# KiCad board panel.opm-inline.kicad_pcb (continued)
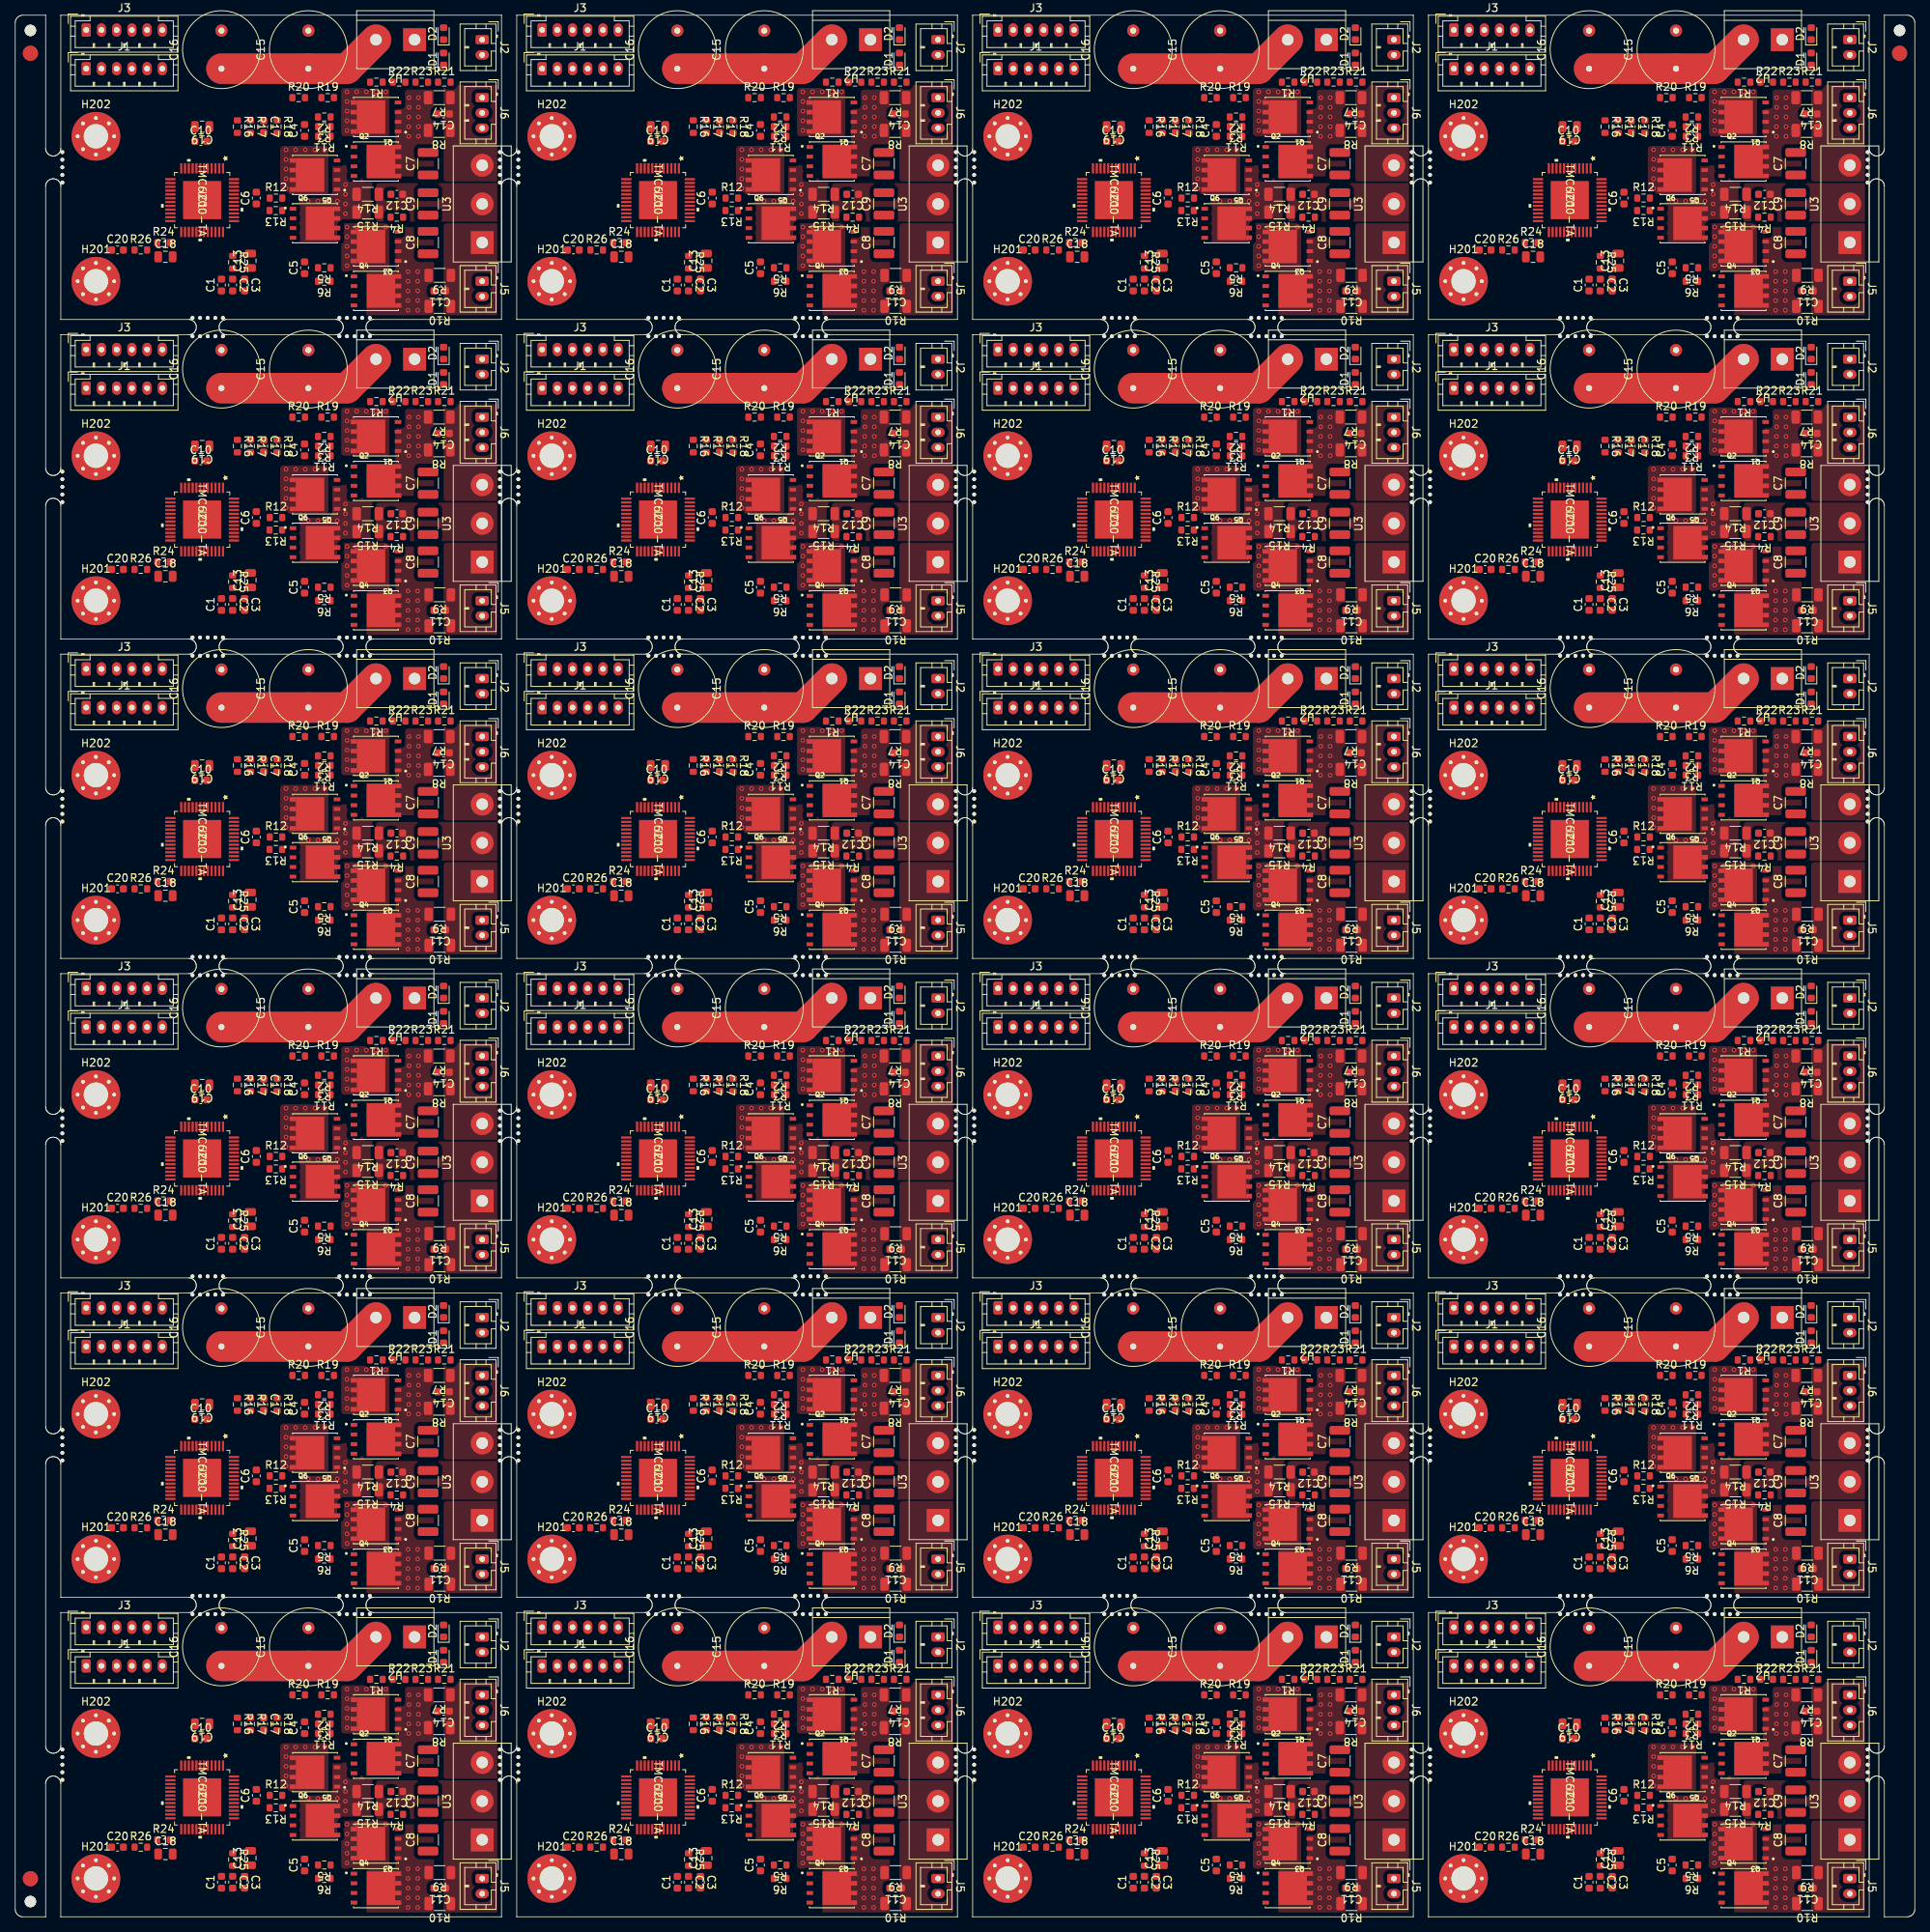
[diagram p0: board, top side]
## Routing (per net, layer and track width the routed paths; a pad name or vN(x,y) marks a point on that pad's centre or on a via; arc(x,y) is an arc through that point) (continued)
Board_0-Net-(C4-Pad1):
  vias: v1(51.79,239.12) v1(51.79,237.85) v1(51.75,236.58) v1(51.75,235.31) v1(51.75,234.04) v1(53.02,239.12) v1(53.02,237.85) v1(53.02,236.58) v1(53.02,235.31) v1(53.02,234.04)
Board_0-Net-(C5-Pad2):
  vias: v1(51.65,216.26) v1(51.65,214.99) v1(51.65,213.72) v1(51.65,212.45) v1(51.65,211.18) v1(52.92,216.26) v1(52.92,214.99) v1(52.92,213.72) v1(52.92,212.45) v1(52.92,211.18)
Board_0-Net-(C6-Pad1):
  vias: v1(38.55,225.52) v1(39.82,225.52) v1(41.09,225.52) v1(42.36,225.52) v1(43.43,227.69) v1(43.43,226.42) v1(43.43,225.15) v1(43.43,223.88)
Board_1-/+VM: length 86
  Top w4: U2#2.2 103.58,242.93 C15#2.1 C16#2.1
  In1.Cu w4: C16#2.1 96.88,242.93 ; 103.58,242.93 U2#2.2 ; 97.23,242.93 102.31,242.93
  In2.Cu w4: U2#2.2 103.58,242.93 C15#2.1 C16#2.1
  Bottom w4: U2#2.2 103.58,242.93 C15#2.1 C16#2.1
  vias: v1(95.56,232.27) v1(95.56,231) v1(95.56,229.73) v1(95.56,228.46) v1(95.56,227.19) v1(96.83,232.27) v1(98.1,232.27) v1(99.37,232.27) v1(100.64,232.27) v1(103.58,239.89) v1(103.58,238.62) v1(103.58,237.35) v1(103.58,236.08) v1(103.58,234.81) v1(103.58,222.11) v1(103.58,220.84) v1(103.58,219.57) v1(103.58,218.3) v1(103.58,217.03) v1(104.85,239.89) v1(104.85,222.11) v1(106.12,239.89) v1(106.12,222.11) v1(107.39,239.89) v1(107.39,222.11) v1(108.66,239.89) v1(108.66,222.11)
Board_1-Net-(C4-Pad1):
  vias: v1(111.7,236.58) v1(111.7,235.31) v1(111.7,234.04) v1(111.74,239.12) v1(111.74,237.85) v1(112.97,239.12) v1(112.97,237.85) v1(112.97,236.58) v1(112.97,235.31) v1(112.97,234.04)
Board_1-Net-(C5-Pad2):
  vias: v1(111.6,216.26) v1(111.6,214.99) v1(111.6,213.72) v1(111.6,212.45) v1(111.6,211.18) v1(112.87,216.26) v1(112.87,214.99) v1(112.87,213.72) v1(112.87,212.45) v1(112.87,211.18)
Board_1-Net-(C6-Pad1):
  vias: v1(98.5,225.52) v1(99.77,225.52) v1(101.04,225.52) v1(102.31,225.52) v1(103.38,227.69) v1(103.38,226.42) v1(103.38,225.15) v1(103.38,223.88)
Board_2-/+VM: length 86
  Top w4: U2#3.2 163.53,242.93 C15#3.1 C16#3.1
  In1.Cu w4: C16#3.1 156.83,242.93 ; 163.53,242.93 U2#3.2 ; 157.18,242.93 162.26,242.93
  In2.Cu w4: U2#3.2 163.53,242.93 C15#3.1 C16#3.1
  Bottom w4: U2#3.2 163.53,242.93 C15#3.1 C16#3.1
  vias: v1(155.51,232.27) v1(155.51,231) v1(155.51,229.73) v1(155.51,228.46) v1(155.51,227.19) v1(156.78,232.27) v1(158.05,232.27) v1(159.32,232.27) v1(160.59,232.27) v1(163.53,239.89) v1(163.53,238.62) v1(163.53,237.35) v1(163.53,236.08) v1(163.53,234.81) v1(163.53,222.11) v1(163.53,220.84) v1(163.53,219.57) v1(163.53,218.3) v1(163.53,217.03) v1(164.8,239.89) v1(164.8,222.11) v1(166.07,239.89) v1(166.07,222.11) v1(167.34,239.89) v1(167.34,222.11) v1(168.61,239.89) v1(168.61,222.11)
Board_2-Net-(C4-Pad1):
  vias: v1(171.69,239.12) v1(171.69,237.85) v1(171.65,236.58) v1(171.65,235.31) v1(171.65,234.04) v1(172.92,239.12) v1(172.92,237.85) v1(172.92,236.58) v1(172.92,235.31) v1(172.92,234.04)
Board_2-Net-(C5-Pad2):
  vias: v1(171.55,216.26) v1(171.55,214.99) v1(171.55,213.72) v1(171.55,212.45) v1(171.55,211.18) v1(172.82,216.26) v1(172.82,214.99) v1(172.82,213.72) v1(172.82,212.45) v1(172.82,211.18)
Board_2-Net-(C6-Pad1):
  vias: v1(158.45,225.52) v1(159.72,225.52) v1(160.99,225.52) v1(162.26,225.52) v1(163.33,227.69) v1(163.33,226.42) v1(163.33,225.15) v1(163.33,223.88)
Board_3-/+VM: length 86
  Top w4: U2#4.2 223.48,242.93 C15#4.1 C16#4.1
  In1.Cu w4: C16#4.1 216.78,242.93 ; 223.48,242.93 U2#4.2 ; 217.13,242.93 222.21,242.93
  In2.Cu w4: U2#4.2 223.48,242.93 C15#4.1 C16#4.1
  Bottom w4: U2#4.2 223.48,242.93 C15#4.1 C16#4.1
  vias: v1(215.46,232.27) v1(215.46,231) v1(215.46,229.73) v1(215.46,228.46) v1(215.46,227.19) v1(216.73,232.27) v1(218,232.27) v1(219.27,232.27) v1(220.54,232.27) v1(223.48,239.89) v1(223.48,238.62) v1(223.48,237.35) v1(223.48,236.08) v1(223.48,234.81) v1(223.48,222.11) v1(223.48,220.84) v1(223.48,219.57) v1(223.48,218.3) v1(223.48,217.03) v1(224.75,239.89) v1(224.75,222.11) v1(226.02,239.89) v1(226.02,222.11) v1(227.29,239.89) v1(227.29,222.11) v1(228.56,239.89) v1(228.56,222.11)
Board_3-Net-(C4-Pad1):
  vias: v1(231.6,236.58) v1(231.6,235.31) v1(231.6,234.04) v1(231.64,239.12) v1(231.64,237.85) v1(232.87,239.12) v1(232.87,237.85) v1(232.87,236.58) v1(232.87,235.31) v1(232.87,234.04)
Board_3-Net-(C5-Pad2):
  vias: v1(231.5,216.26) v1(231.5,214.99) v1(231.5,213.72) v1(231.5,212.45) v1(231.5,211.18) v1(232.77,216.26) v1(232.77,214.99) v1(232.77,213.72) v1(232.77,212.45) v1(232.77,211.18)
Board_3-Net-(C6-Pad1):
  vias: v1(218.4,225.52) v1(219.67,225.52) v1(220.94,225.52) v1(222.21,225.52) v1(223.28,227.69) v1(223.28,226.42) v1(223.28,225.15) v1(223.28,223.88)
Board_4-/+VM: length 86
  Top w4: U2#5.2 43.63,200.94 C15#5.1 C16#5.1
  In1.Cu w4: C16#5.1 36.93,200.94 ; 43.63,200.94 U2#5.2 ; 37.28,200.94 42.36,200.94
  In2.Cu w4: U2#5.2 43.63,200.94 C15#5.1 C16#5.1
  Bottom w4: U2#5.2 43.63,200.94 C15#5.1 C16#5.1
  vias: v1(35.61,190.28) v1(35.61,189.01) v1(35.61,187.74) v1(35.61,186.47) v1(35.61,185.2) v1(36.88,190.28) v1(38.15,190.28) v1(39.42,190.28) v1(40.69,190.28) v1(43.63,197.9) v1(43.63,196.63) v1(43.63,195.36) v1(43.63,194.09) v1(43.63,192.82) v1(43.63,180.12) v1(43.63,178.85) v1(43.63,177.58) v1(43.63,176.31) v1(43.63,175.04) v1(44.9,197.9) v1(44.9,180.12) v1(46.17,197.9) v1(46.17,180.12) v1(47.44,197.9) v1(47.44,180.12) v1(48.71,197.9) v1(48.71,180.12)
Board_4-Net-(C4-Pad1):
  vias: v1(51.79,197.13) v1(51.79,195.86) v1(51.75,194.59) v1(51.75,193.32) v1(51.75,192.05) v1(53.02,197.13) v1(53.02,195.86) v1(53.02,194.59) v1(53.02,193.32) v1(53.02,192.05)
Board_4-Net-(C5-Pad2):
  vias: v1(51.65,174.27) v1(51.65,173) v1(51.65,171.73) v1(51.65,170.46) v1(51.65,169.19) v1(52.92,174.27) v1(52.92,173) v1(52.92,171.73) v1(52.92,170.46) v1(52.92,169.19)
Board_4-Net-(C6-Pad1):
  vias: v1(38.55,183.53) v1(39.82,183.53) v1(41.09,183.53) v1(42.36,183.53) v1(43.43,185.7) v1(43.43,184.43) v1(43.43,183.16) v1(43.43,181.89)
Board_5-/+VM: length 86
  Top w4: U2#6.2 103.58,200.94 C15#6.1 C16#6.1
  In1.Cu w4: C16#6.1 96.88,200.94 ; 103.58,200.94 U2#6.2 ; 97.23,200.94 102.31,200.94
  In2.Cu w4: U2#6.2 103.58,200.94 C15#6.1 C16#6.1
  Bottom w4: U2#6.2 103.58,200.94 C15#6.1 C16#6.1
  vias: v1(95.56,190.28) v1(95.56,189.01) v1(95.56,187.74) v1(95.56,186.47) v1(95.56,185.2) v1(96.83,190.28) v1(98.1,190.28) v1(99.37,190.28) v1(100.64,190.28) v1(103.58,197.9) v1(103.58,196.63) v1(103.58,195.36) v1(103.58,194.09) v1(103.58,192.82) v1(103.58,180.12) v1(103.58,178.85) v1(103.58,177.58) v1(103.58,176.31) v1(103.58,175.04) v1(104.85,197.9) v1(104.85,180.12) v1(106.12,197.9) v1(106.12,180.12) v1(107.39,197.9) v1(107.39,180.12) v1(108.66,197.9) v1(108.66,180.12)
Board_5-Net-(C4-Pad1):
  vias: v1(111.7,194.59) v1(111.7,193.32) v1(111.7,192.05) v1(111.74,197.13) v1(111.74,195.86) v1(112.97,197.13) v1(112.97,195.86) v1(112.97,194.59) v1(112.97,193.32) v1(112.97,192.05)
Board_5-Net-(C5-Pad2):
  vias: v1(111.6,174.27) v1(111.6,173) v1(111.6,171.73) v1(111.6,170.46) v1(111.6,169.19) v1(112.87,174.27) v1(112.87,173) v1(112.87,171.73) v1(112.87,170.46) v1(112.87,169.19)
Board_5-Net-(C6-Pad1):
  vias: v1(98.5,183.53) v1(99.77,183.53) v1(101.04,183.53) v1(102.31,183.53) v1(103.38,185.7) v1(103.38,184.43) v1(103.38,183.16) v1(103.38,181.89)
Board_6-/+VM: length 86
  Top w4: U2#7.2 163.53,200.94 C15#7.1 C16#7.1
  In1.Cu w4: C16#7.1 156.83,200.94 ; 163.53,200.94 U2#7.2 ; 157.18,200.94 162.26,200.94
  In2.Cu w4: U2#7.2 163.53,200.94 C15#7.1 C16#7.1
  Bottom w4: U2#7.2 163.53,200.94 C15#7.1 C16#7.1
  vias: v1(155.51,190.28) v1(155.51,189.01) v1(155.51,187.74) v1(155.51,186.47) v1(155.51,185.2) v1(156.78,190.28) v1(158.05,190.28) v1(159.32,190.28) v1(160.59,190.28) v1(163.53,197.9) v1(163.53,196.63) v1(163.53,195.36) v1(163.53,194.09) v1(163.53,192.82) v1(163.53,180.12) v1(163.53,178.85) v1(163.53,177.58) v1(163.53,176.31) v1(163.53,175.04) v1(164.8,197.9) v1(164.8,180.12) v1(166.07,197.9) v1(166.07,180.12) v1(167.34,197.9) v1(167.34,180.12) v1(168.61,197.9) v1(168.61,180.12)
Board_6-Net-(C4-Pad1):
  vias: v1(171.69,197.13) v1(171.69,195.86) v1(171.65,194.59) v1(171.65,193.32) v1(171.65,192.05) v1(172.92,197.13) v1(172.92,195.86) v1(172.92,194.59) v1(172.92,193.32) v1(172.92,192.05)
Board_6-Net-(C5-Pad2):
  vias: v1(171.55,174.27) v1(171.55,173) v1(171.55,171.73) v1(171.55,170.46) v1(171.55,169.19) v1(172.82,174.27) v1(172.82,173) v1(172.82,171.73) v1(172.82,170.46) v1(172.82,169.19)
Board_6-Net-(C6-Pad1):
  vias: v1(158.45,183.53) v1(159.72,183.53) v1(160.99,183.53) v1(162.26,183.53) v1(163.33,185.7) v1(163.33,184.43) v1(163.33,183.16) v1(163.33,181.89)
Board_7-/+VM: length 86
  Top w4: U2#8.2 223.48,200.94 C15#8.1 C16#8.1
  In1.Cu w4: C16#8.1 216.78,200.94 ; 223.48,200.94 U2#8.2 ; 217.13,200.94 222.21,200.94
  In2.Cu w4: U2#8.2 223.48,200.94 C15#8.1 C16#8.1
  Bottom w4: U2#8.2 223.48,200.94 C15#8.1 C16#8.1
  vias: v1(215.46,190.28) v1(215.46,189.01) v1(215.46,187.74) v1(215.46,186.47) v1(215.46,185.2) v1(216.73,190.28) v1(218,190.28) v1(219.27,190.28) v1(220.54,190.28) v1(223.48,197.9) v1(223.48,196.63) v1(223.48,195.36) v1(223.48,194.09) v1(223.48,192.82) v1(223.48,180.12) v1(223.48,178.85) v1(223.48,177.58) v1(223.48,176.31) v1(223.48,175.04) v1(224.75,197.9) v1(224.75,180.12) v1(226.02,197.9) v1(226.02,180.12) v1(227.29,197.9) v1(227.29,180.12) v1(228.56,197.9) v1(228.56,180.12)
Board_7-Net-(C4-Pad1):
  vias: v1(231.6,194.59) v1(231.6,193.32) v1(231.6,192.05) v1(231.64,197.13) v1(231.64,195.86) v1(232.87,197.13) v1(232.87,195.86) v1(232.87,194.59) v1(232.87,193.32) v1(232.87,192.05)
Board_7-Net-(C5-Pad2):
  vias: v1(231.5,174.27) v1(231.5,173) v1(231.5,171.73) v1(231.5,170.46) v1(231.5,169.19) v1(232.77,174.27) v1(232.77,173) v1(232.77,171.73) v1(232.77,170.46) v1(232.77,169.19)
Board_7-Net-(C6-Pad1):
  vias: v1(218.4,183.53) v1(219.67,183.53) v1(220.94,183.53) v1(222.21,183.53) v1(223.28,185.7) v1(223.28,184.43) v1(223.28,183.16) v1(223.28,181.89)
Board_8-/+VM: length 86
  Top w4: U2#9.2 43.63,158.95 C15#9.1 C16#9.1
  In1.Cu w4: C16#9.1 36.93,158.95 ; 43.63,158.95 U2#9.2 ; 37.28,158.95 42.36,158.95
  In2.Cu w4: U2#9.2 43.63,158.95 C15#9.1 C16#9.1
  Bottom w4: U2#9.2 43.63,158.95 C15#9.1 C16#9.1
  vias: v1(35.61,148.29) v1(35.61,147.02) v1(35.61,145.75) v1(35.61,144.48) v1(35.61,143.21) v1(36.88,148.29) v1(38.15,148.29) v1(39.42,148.29) v1(40.69,148.29) v1(43.63,155.91) v1(43.63,154.64) v1(43.63,153.37) v1(43.63,152.1) v1(43.63,150.83) v1(43.63,138.13) v1(43.63,136.86) v1(43.63,135.59) v1(43.63,134.32) v1(43.63,133.05) v1(44.9,155.91) v1(44.9,138.13) v1(46.17,155.91) v1(46.17,138.13) v1(47.44,155.91) v1(47.44,138.13) v1(48.71,155.91) v1(48.71,138.13)
Board_8-Net-(C4-Pad1):
  vias: v1(51.79,155.14) v1(51.79,153.87) v1(51.75,152.6) v1(51.75,151.33) v1(51.75,150.06) v1(53.02,155.14) v1(53.02,153.87) v1(53.02,152.6) v1(53.02,151.33) v1(53.02,150.06)
Board_8-Net-(C5-Pad2):
  vias: v1(51.65,132.28) v1(51.65,131.01) v1(51.65,129.74) v1(51.65,128.47) v1(51.65,127.2) v1(52.92,132.28) v1(52.92,131.01) v1(52.92,129.74) v1(52.92,128.47) v1(52.92,127.2)
Board_8-Net-(C6-Pad1):
  vias: v1(38.55,141.54) v1(39.82,141.54) v1(41.09,141.54) v1(42.36,141.54) v1(43.43,143.71) v1(43.43,142.44) v1(43.43,141.17) v1(43.43,139.9)
Board_9-/+VM: length 86
  Top w4: U2#10.2 103.58,158.95 C15#10.1 C16#10.1
  In1.Cu w4: C16#10.1 96.88,158.95 ; 103.58,158.95 U2#10.2 ; 97.23,158.95 102.31,158.95
  In2.Cu w4: U2#10.2 103.58,158.95 C15#10.1 C16#10.1
  Bottom w4: U2#10.2 103.58,158.95 C15#10.1 C16#10.1
  vias: v1(95.56,148.29) v1(95.56,147.02) v1(95.56,145.75) v1(95.56,144.48) v1(95.56,143.21) v1(96.83,148.29) v1(98.1,148.29) v1(99.37,148.29) v1(100.64,148.29) v1(103.58,155.91) v1(103.58,154.64) v1(103.58,153.37) v1(103.58,152.1) v1(103.58,150.83) v1(103.58,138.13) v1(103.58,136.86) v1(103.58,135.59) v1(103.58,134.32) v1(103.58,133.05) v1(104.85,155.91) v1(104.85,138.13) v1(106.12,155.91) v1(106.12,138.13) v1(107.39,155.91) v1(107.39,138.13) v1(108.66,155.91) v1(108.66,138.13)
Board_9-Net-(C4-Pad1):
  vias: v1(111.7,152.6) v1(111.7,151.33) v1(111.7,150.06) v1(111.74,155.14) v1(111.74,153.87) v1(112.97,155.14) v1(112.97,153.87) v1(112.97,152.6) v1(112.97,151.33) v1(112.97,150.06)
Board_9-Net-(C5-Pad2):
  vias: v1(111.6,132.28) v1(111.6,131.01) v1(111.6,129.74) v1(111.6,128.47) v1(111.6,127.2) v1(112.87,132.28) v1(112.87,131.01) v1(112.87,129.74) v1(112.87,128.47) v1(112.87,127.2)
Board_9-Net-(C6-Pad1):
  vias: v1(98.5,141.54) v1(99.77,141.54) v1(101.04,141.54) v1(102.31,141.54) v1(103.38,143.71) v1(103.38,142.44) v1(103.38,141.17) v1(103.38,139.9)
Board_10-/+VM: length 86
  Top w4: U2#11.2 163.53,158.95 C15#11.1 C16#11.1
  In1.Cu w4: C16#11.1 156.83,158.95 ; 163.53,158.95 U2#11.2 ; 157.18,158.95 162.26,158.95
  In2.Cu w4: U2#11.2 163.53,158.95 C15#11.1 C16#11.1
  Bottom w4: U2#11.2 163.53,158.95 C15#11.1 C16#11.1
  vias: v1(155.51,148.29) v1(155.51,147.02) v1(155.51,145.75) v1(155.51,144.48) v1(155.51,143.21) v1(156.78,148.29) v1(158.05,148.29) v1(159.32,148.29) v1(160.59,148.29) v1(163.53,155.91) v1(163.53,154.64) v1(163.53,153.37) v1(163.53,152.1) v1(163.53,150.83) v1(163.53,138.13) v1(163.53,136.86) v1(163.53,135.59) v1(163.53,134.32) v1(163.53,133.05) v1(164.8,155.91) v1(164.8,138.13) v1(166.07,155.91) v1(166.07,138.13) v1(167.34,155.91) v1(167.34,138.13) v1(168.61,155.91) v1(168.61,138.13)
Board_10-Net-(C4-Pad1):
  vias: v1(171.69,155.14) v1(171.69,153.87) v1(171.65,152.6) v1(171.65,151.33) v1(171.65,150.06) v1(172.92,155.14) v1(172.92,153.87) v1(172.92,152.6) v1(172.92,151.33) v1(172.92,150.06)
Board_10-Net-(C5-Pad2):
  vias: v1(171.55,132.28) v1(171.55,131.01) v1(171.55,129.74) v1(171.55,128.47) v1(171.55,127.2) v1(172.82,132.28) v1(172.82,131.01) v1(172.82,129.74) v1(172.82,128.47) v1(172.82,127.2)
Board_10-Net-(C6-Pad1):
  vias: v1(158.45,141.54) v1(159.72,141.54) v1(160.99,141.54) v1(162.26,141.54) v1(163.33,143.71) v1(163.33,142.44) v1(163.33,141.17) v1(163.33,139.9)
Board_11-/+VM: length 86
  Top w4: U2#12.2 223.48,158.95 C15#12.1 C16#12.1
  In1.Cu w4: C16#12.1 216.78,158.95 ; 223.48,158.95 U2#12.2 ; 217.13,158.95 222.21,158.95
  In2.Cu w4: U2#12.2 223.48,158.95 C15#12.1 C16#12.1
  Bottom w4: U2#12.2 223.48,158.95 C15#12.1 C16#12.1
  vias: v1(215.46,148.29) v1(215.46,147.02) v1(215.46,145.75) v1(215.46,144.48) v1(215.46,143.21) v1(216.73,148.29) v1(218,148.29) v1(219.27,148.29) v1(220.54,148.29) v1(223.48,155.91) v1(223.48,154.64) v1(223.48,153.37) v1(223.48,152.1) v1(223.48,150.83) v1(223.48,138.13) v1(223.48,136.86) v1(223.48,135.59) v1(223.48,134.32) v1(223.48,133.05) v1(224.75,155.91) v1(224.75,138.13) v1(226.02,155.91) v1(226.02,138.13) v1(227.29,155.91) v1(227.29,138.13) v1(228.56,155.91) v1(228.56,138.13)
Board_11-Net-(C4-Pad1):
  vias: v1(231.6,152.6) v1(231.6,151.33) v1(231.6,150.06) v1(231.64,155.14) v1(231.64,153.87) v1(232.87,155.14) v1(232.87,153.87) v1(232.87,152.6) v1(232.87,151.33) v1(232.87,150.06)
Board_11-Net-(C5-Pad2):
  vias: v1(231.5,132.28) v1(231.5,131.01) v1(231.5,129.74) v1(231.5,128.47) v1(231.5,127.2) v1(232.77,132.28) v1(232.77,131.01) v1(232.77,129.74) v1(232.77,128.47) v1(232.77,127.2)
Board_11-Net-(C6-Pad1):
  vias: v1(218.4,141.54) v1(219.67,141.54) v1(220.94,141.54) v1(222.21,141.54) v1(223.28,143.71) v1(223.28,142.44) v1(223.28,141.17) v1(223.28,139.9)
Board_12-/+VM: length 86
  Top w4: U2#13.2 43.63,116.96 C15#13.1 C16#13.1
  In1.Cu w4: C16#13.1 36.93,116.96 ; 43.63,116.96 U2#13.2 ; 37.28,116.96 42.36,116.96
  In2.Cu w4: U2#13.2 43.63,116.96 C15#13.1 C16#13.1
  Bottom w4: U2#13.2 43.63,116.96 C15#13.1 C16#13.1
  vias: v1(35.61,106.3) v1(35.61,105.03) v1(35.61,103.76) v1(35.61,102.49) v1(35.61,101.22) v1(36.88,106.3) v1(38.15,106.3) v1(39.42,106.3) v1(40.69,106.3) v1(43.63,113.92) v1(43.63,112.65) v1(43.63,111.38) v1(43.63,110.11) v1(43.63,108.84) v1(43.63,96.14) v1(43.63,94.87) v1(43.63,93.6) v1(43.63,92.33) v1(43.63,91.06) v1(44.9,113.92) v1(44.9,96.14) v1(46.17,113.92) v1(46.17,96.14) v1(47.44,113.92) v1(47.44,96.14) v1(48.71,113.92) v1(48.71,96.14)
Board_12-Net-(C4-Pad1):
  vias: v1(51.79,113.15) v1(51.79,111.88) v1(51.75,110.61) v1(51.75,109.34) v1(51.75,108.07) v1(53.02,113.15) v1(53.02,111.88) v1(53.02,110.61) v1(53.02,109.34) v1(53.02,108.07)
Board_12-Net-(C5-Pad2):
  vias: v1(51.65,90.29) v1(51.65,89.02) v1(51.65,87.75) v1(51.65,86.48) v1(51.65,85.21) v1(52.92,90.29) v1(52.92,89.02) v1(52.92,87.75) v1(52.92,86.48) v1(52.92,85.21)
Board_12-Net-(C6-Pad1):
  vias: v1(38.55,99.55) v1(39.82,99.55) v1(41.09,99.55) v1(42.36,99.55) v1(43.43,101.72) v1(43.43,100.45) v1(43.43,99.18) v1(43.43,97.91)
Board_13-/+VM: length 86
  Top w4: U2#14.2 103.58,116.96 C15#14.1 C16#14.1
  In1.Cu w4: C16#14.1 96.88,116.96 ; 103.58,116.96 U2#14.2 ; 97.23,116.96 102.31,116.96
  In2.Cu w4: U2#14.2 103.58,116.96 C15#14.1 C16#14.1
  Bottom w4: U2#14.2 103.58,116.96 C15#14.1 C16#14.1
  vias: v1(95.56,106.3) v1(95.56,105.03) v1(95.56,103.76) v1(95.56,102.49) v1(95.56,101.22) v1(96.83,106.3) v1(98.1,106.3) v1(99.37,106.3) v1(100.64,106.3) v1(103.58,113.92) v1(103.58,112.65) v1(103.58,111.38) v1(103.58,110.11) v1(103.58,108.84) v1(103.58,96.14) v1(103.58,94.87) v1(103.58,93.6) v1(103.58,92.33) v1(103.58,91.06) v1(104.85,113.92) v1(104.85,96.14) v1(106.12,113.92) v1(106.12,96.14) v1(107.39,113.92) v1(107.39,96.14) v1(108.66,113.92) v1(108.66,96.14)
Board_13-Net-(C4-Pad1):
  vias: v1(111.7,110.61) v1(111.7,109.34) v1(111.7,108.07) v1(111.74,113.15) v1(111.74,111.88) v1(112.97,113.15) v1(112.97,111.88) v1(112.97,110.61) v1(112.97,109.34) v1(112.97,108.07)
Board_13-Net-(C5-Pad2):
  vias: v1(111.6,90.29) v1(111.6,89.02) v1(111.6,87.75) v1(111.6,86.48) v1(111.6,85.21) v1(112.87,90.29) v1(112.87,89.02) v1(112.87,87.75) v1(112.87,86.48) v1(112.87,85.21)
Board_13-Net-(C6-Pad1):
  vias: v1(98.5,99.55) v1(99.77,99.55) v1(101.04,99.55) v1(102.31,99.55) v1(103.38,101.72) v1(103.38,100.45) v1(103.38,99.18) v1(103.38,97.91)
Board_14-/+VM: length 86
  Top w4: U2#15.2 163.53,116.96 C15#15.1 C16#15.1
  In1.Cu w4: C16#15.1 156.83,116.96 ; 163.53,116.96 U2#15.2 ; 157.18,116.96 162.26,116.96
  In2.Cu w4: U2#15.2 163.53,116.96 C15#15.1 C16#15.1
  Bottom w4: U2#15.2 163.53,116.96 C15#15.1 C16#15.1
  vias: v1(155.51,106.3) v1(155.51,105.03) v1(155.51,103.76) v1(155.51,102.49) v1(155.51,101.22) v1(156.78,106.3) v1(158.05,106.3) v1(159.32,106.3) v1(160.59,106.3) v1(163.53,113.92) v1(163.53,112.65) v1(163.53,111.38) v1(163.53,110.11) v1(163.53,108.84) v1(163.53,96.14) v1(163.53,94.87) v1(163.53,93.6) v1(163.53,92.33) v1(163.53,91.06) v1(164.8,113.92) v1(164.8,96.14) v1(166.07,113.92) v1(166.07,96.14) v1(167.34,113.92) v1(167.34,96.14) v1(168.61,113.92) v1(168.61,96.14)
Board_14-Net-(C4-Pad1):
  vias: v1(171.69,113.15) v1(171.69,111.88) v1(171.65,110.61) v1(171.65,109.34) v1(171.65,108.07) v1(172.92,113.15) v1(172.92,111.88) v1(172.92,110.61) v1(172.92,109.34) v1(172.92,108.07)
Board_14-Net-(C5-Pad2):
  vias: v1(171.55,90.29) v1(171.55,89.02) v1(171.55,87.75) v1(171.55,86.48) v1(171.55,85.21) v1(172.82,90.29) v1(172.82,89.02) v1(172.82,87.75) v1(172.82,86.48) v1(172.82,85.21)
Board_14-Net-(C6-Pad1):
  vias: v1(158.45,99.55) v1(159.72,99.55) v1(160.99,99.55) v1(162.26,99.55) v1(163.33,101.72) v1(163.33,100.45) v1(163.33,99.18) v1(163.33,97.91)
Board_15-/+VM: length 86
  Top w4: U2#16.2 223.48,116.96 C15#16.1 C16#16.1
  In1.Cu w4: C16#16.1 216.78,116.96 ; 223.48,116.96 U2#16.2 ; 217.13,116.96 222.21,116.96
  In2.Cu w4: U2#16.2 223.48,116.96 C15#16.1 C16#16.1
  Bottom w4: U2#16.2 223.48,116.96 C15#16.1 C16#16.1
  vias: v1(215.46,106.3) v1(215.46,105.03) v1(215.46,103.76) v1(215.46,102.49) v1(215.46,101.22) v1(216.73,106.3) v1(218,106.3) v1(219.27,106.3) v1(220.54,106.3) v1(223.48,113.92) v1(223.48,112.65) v1(223.48,111.38) v1(223.48,110.11) v1(223.48,108.84) v1(223.48,96.14) v1(223.48,94.87) v1(223.48,93.6) v1(223.48,92.33) v1(223.48,91.06) v1(224.75,113.92) v1(224.75,96.14) v1(226.02,113.92) v1(226.02,96.14) v1(227.29,113.92) v1(227.29,96.14) v1(228.56,113.92) v1(228.56,96.14)
Board_15-Net-(C4-Pad1):
  vias: v1(231.6,110.61) v1(231.6,109.34) v1(231.6,108.07) v1(231.64,113.15) v1(231.64,111.88) v1(232.87,113.15) v1(232.87,111.88) v1(232.87,110.61) v1(232.87,109.34) v1(232.87,108.07)
Board_15-Net-(C5-Pad2):
  vias: v1(231.5,90.29) v1(231.5,89.02) v1(231.5,87.75) v1(231.5,86.48) v1(231.5,85.21) v1(232.77,90.29) v1(232.77,89.02) v1(232.77,87.75) v1(232.77,86.48) v1(232.77,85.21)
Board_15-Net-(C6-Pad1):
  vias: v1(218.4,99.55) v1(219.67,99.55) v1(220.94,99.55) v1(222.21,99.55) v1(223.28,101.72) v1(223.28,100.45) v1(223.28,99.18) v1(223.28,97.91)
Board_16-/+VM: length 86
  Top w4: U2#17.2 43.63,74.97 C15#17.1 C16#17.1
  In1.Cu w4: C16#17.1 36.93,74.97 ; 43.63,74.97 U2#17.2 ; 37.28,74.97 42.36,74.97
  In2.Cu w4: U2#17.2 43.63,74.97 C15#17.1 C16#17.1
  Bottom w4: U2#17.2 43.63,74.97 C15#17.1 C16#17.1
  vias: v1(35.61,64.31) v1(35.61,63.04) v1(35.61,61.77) v1(35.61,60.5) v1(35.61,59.23) v1(36.88,64.31) v1(38.15,64.31) v1(39.42,64.31) v1(40.69,64.31) v1(43.63,71.93) v1(43.63,70.66) v1(43.63,69.39) v1(43.63,68.12) v1(43.63,66.85) v1(43.63,54.15) v1(43.63,52.88) v1(43.63,51.61) v1(43.63,50.34) v1(43.63,49.07) v1(44.9,71.93) v1(44.9,54.15) v1(46.17,71.93) v1(46.17,54.15) v1(47.44,71.93) v1(47.44,54.15) v1(48.71,71.93) v1(48.71,54.15)
Board_16-Net-(C4-Pad1):
  vias: v1(51.79,71.16) v1(51.79,69.89) v1(51.75,68.62) v1(51.75,67.35) v1(51.75,66.08) v1(53.02,71.16) v1(53.02,69.89) v1(53.02,68.62) v1(53.02,67.35) v1(53.02,66.08)
Board_16-Net-(C5-Pad2):
  vias: v1(51.65,48.3) v1(51.65,47.03) v1(51.65,45.76) v1(51.65,44.49) v1(51.65,43.22) v1(52.92,48.3) v1(52.92,47.03) v1(52.92,45.76) v1(52.92,44.49) v1(52.92,43.22)
Board_16-Net-(C6-Pad1):
  vias: v1(38.55,57.56) v1(39.82,57.56) v1(41.09,57.56) v1(42.36,57.56) v1(43.43,59.73) v1(43.43,58.46) v1(43.43,57.19) v1(43.43,55.92)
Board_17-/+VM: length 86
  Top w4: U2#18.2 103.58,74.97 C15#18.1 C16#18.1
  In1.Cu w4: C16#18.1 96.88,74.97 ; 103.58,74.97 U2#18.2 ; 97.23,74.97 102.31,74.97
  In2.Cu w4: U2#18.2 103.58,74.97 C15#18.1 C16#18.1
  Bottom w4: U2#18.2 103.58,74.97 C15#18.1 C16#18.1
  vias: v1(95.56,64.31) v1(95.56,63.04) v1(95.56,61.77) v1(95.56,60.5) v1(95.56,59.23) v1(96.83,64.31) v1(98.1,64.31) v1(99.37,64.31) v1(100.64,64.31) v1(103.58,71.93) v1(103.58,70.66) v1(103.58,69.39) v1(103.58,68.12) v1(103.58,66.85) v1(103.58,54.15) v1(103.58,52.88) v1(103.58,51.61) v1(103.58,50.34) v1(103.58,49.07) v1(104.85,71.93) v1(104.85,54.15) v1(106.12,71.93) v1(106.12,54.15) v1(107.39,71.93) v1(107.39,54.15) v1(108.66,71.93) v1(108.66,54.15)
Board_17-Net-(C4-Pad1):
  vias: v1(111.7,68.62) v1(111.7,67.35) v1(111.7,66.08) v1(111.74,71.16) v1(111.74,69.89) v1(112.97,71.16) v1(112.97,69.89) v1(112.97,68.62) v1(112.97,67.35) v1(112.97,66.08)
Board_17-Net-(C5-Pad2):
  vias: v1(111.6,48.3) v1(111.6,47.03) v1(111.6,45.76) v1(111.6,44.49) v1(111.6,43.22) v1(112.87,48.3) v1(112.87,47.03) v1(112.87,45.76) v1(112.87,44.49) v1(112.87,43.22)
Board_17-Net-(C6-Pad1):
  vias: v1(98.5,57.56) v1(99.77,57.56) v1(101.04,57.56) v1(102.31,57.56) v1(103.38,59.73) v1(103.38,58.46) v1(103.38,57.19) v1(103.38,55.92)
Board_18-/+VM: length 86
  Top w4: U2#19.2 163.53,74.97 C15#19.1 C16#19.1
  In1.Cu w4: C16#19.1 156.83,74.97 ; 163.53,74.97 U2#19.2 ; 157.18,74.97 162.26,74.97
  In2.Cu w4: U2#19.2 163.53,74.97 C15#19.1 C16#19.1
  Bottom w4: U2#19.2 163.53,74.97 C15#19.1 C16#19.1
  vias: v1(155.51,64.31) v1(155.51,63.04) v1(155.51,61.77) v1(155.51,60.5) v1(155.51,59.23) v1(156.78,64.31) v1(158.05,64.31) v1(159.32,64.31) v1(160.59,64.31) v1(163.53,71.93) v1(163.53,70.66) v1(163.53,69.39) v1(163.53,68.12) v1(163.53,66.85) v1(163.53,54.15) v1(163.53,52.88) v1(163.53,51.61) v1(163.53,50.34) v1(163.53,49.07) v1(164.8,71.93) v1(164.8,54.15) v1(166.07,71.93) v1(166.07,54.15) v1(167.34,71.93) v1(167.34,54.15) v1(168.61,71.93) v1(168.61,54.15)
Board_18-Net-(C4-Pad1):
  vias: v1(171.69,71.16) v1(171.69,69.89) v1(171.65,68.62) v1(171.65,67.35) v1(171.65,66.08) v1(172.92,71.16) v1(172.92,69.89) v1(172.92,68.62) v1(172.92,67.35) v1(172.92,66.08)
Board_18-Net-(C5-Pad2):
  vias: v1(171.55,48.3) v1(171.55,47.03) v1(171.55,45.76) v1(171.55,44.49) v1(171.55,43.22) v1(172.82,48.3) v1(172.82,47.03) v1(172.82,45.76) v1(172.82,44.49) v1(172.82,43.22)
Board_18-Net-(C6-Pad1):
  vias: v1(158.45,57.56) v1(159.72,57.56) v1(160.99,57.56) v1(162.26,57.56) v1(163.33,59.73) v1(163.33,58.46) v1(163.33,57.19) v1(163.33,55.92)
Board_19-/+VM: length 86
  Top w4: U2#20.2 223.48,74.97 C15#20.1 C16#20.1
  In1.Cu w4: C16#20.1 216.78,74.97 ; 223.48,74.97 U2#20.2 ; 217.13,74.97 222.21,74.97
  In2.Cu w4: U2#20.2 223.48,74.97 C15#20.1 C16#20.1
  Bottom w4: U2#20.2 223.48,74.97 C15#20.1 C16#20.1
  vias: v1(215.46,64.31) v1(215.46,63.04) v1(215.46,61.77) v1(215.46,60.5) v1(215.46,59.23) v1(216.73,64.31) v1(218,64.31) v1(219.27,64.31) v1(220.54,64.31) v1(223.48,71.93) v1(223.48,70.66) v1(223.48,69.39) v1(223.48,68.12) v1(223.48,66.85) v1(223.48,54.15) v1(223.48,52.88) v1(223.48,51.61) v1(223.48,50.34) v1(223.48,49.07) v1(224.75,71.93) v1(224.75,54.15) v1(226.02,71.93) v1(226.02,54.15) v1(227.29,71.93) v1(227.29,54.15) v1(228.56,71.93) v1(228.56,54.15)